# Altium PCB Apalis-Smart-Vision-Baseboard.PcbDoc (part 3 of 6)
Units mm, origin at the board's own origin, x right, y up, seen from the top; angles counter-clockwise.
Board outline 100 x 70 mm, 4 copper layers (Top Layer, Power Plane, Ground Plane, Bottom Layer), stack 1.52 mm thick; 202 components, 197 nets, 1190 pads, 441 vias.
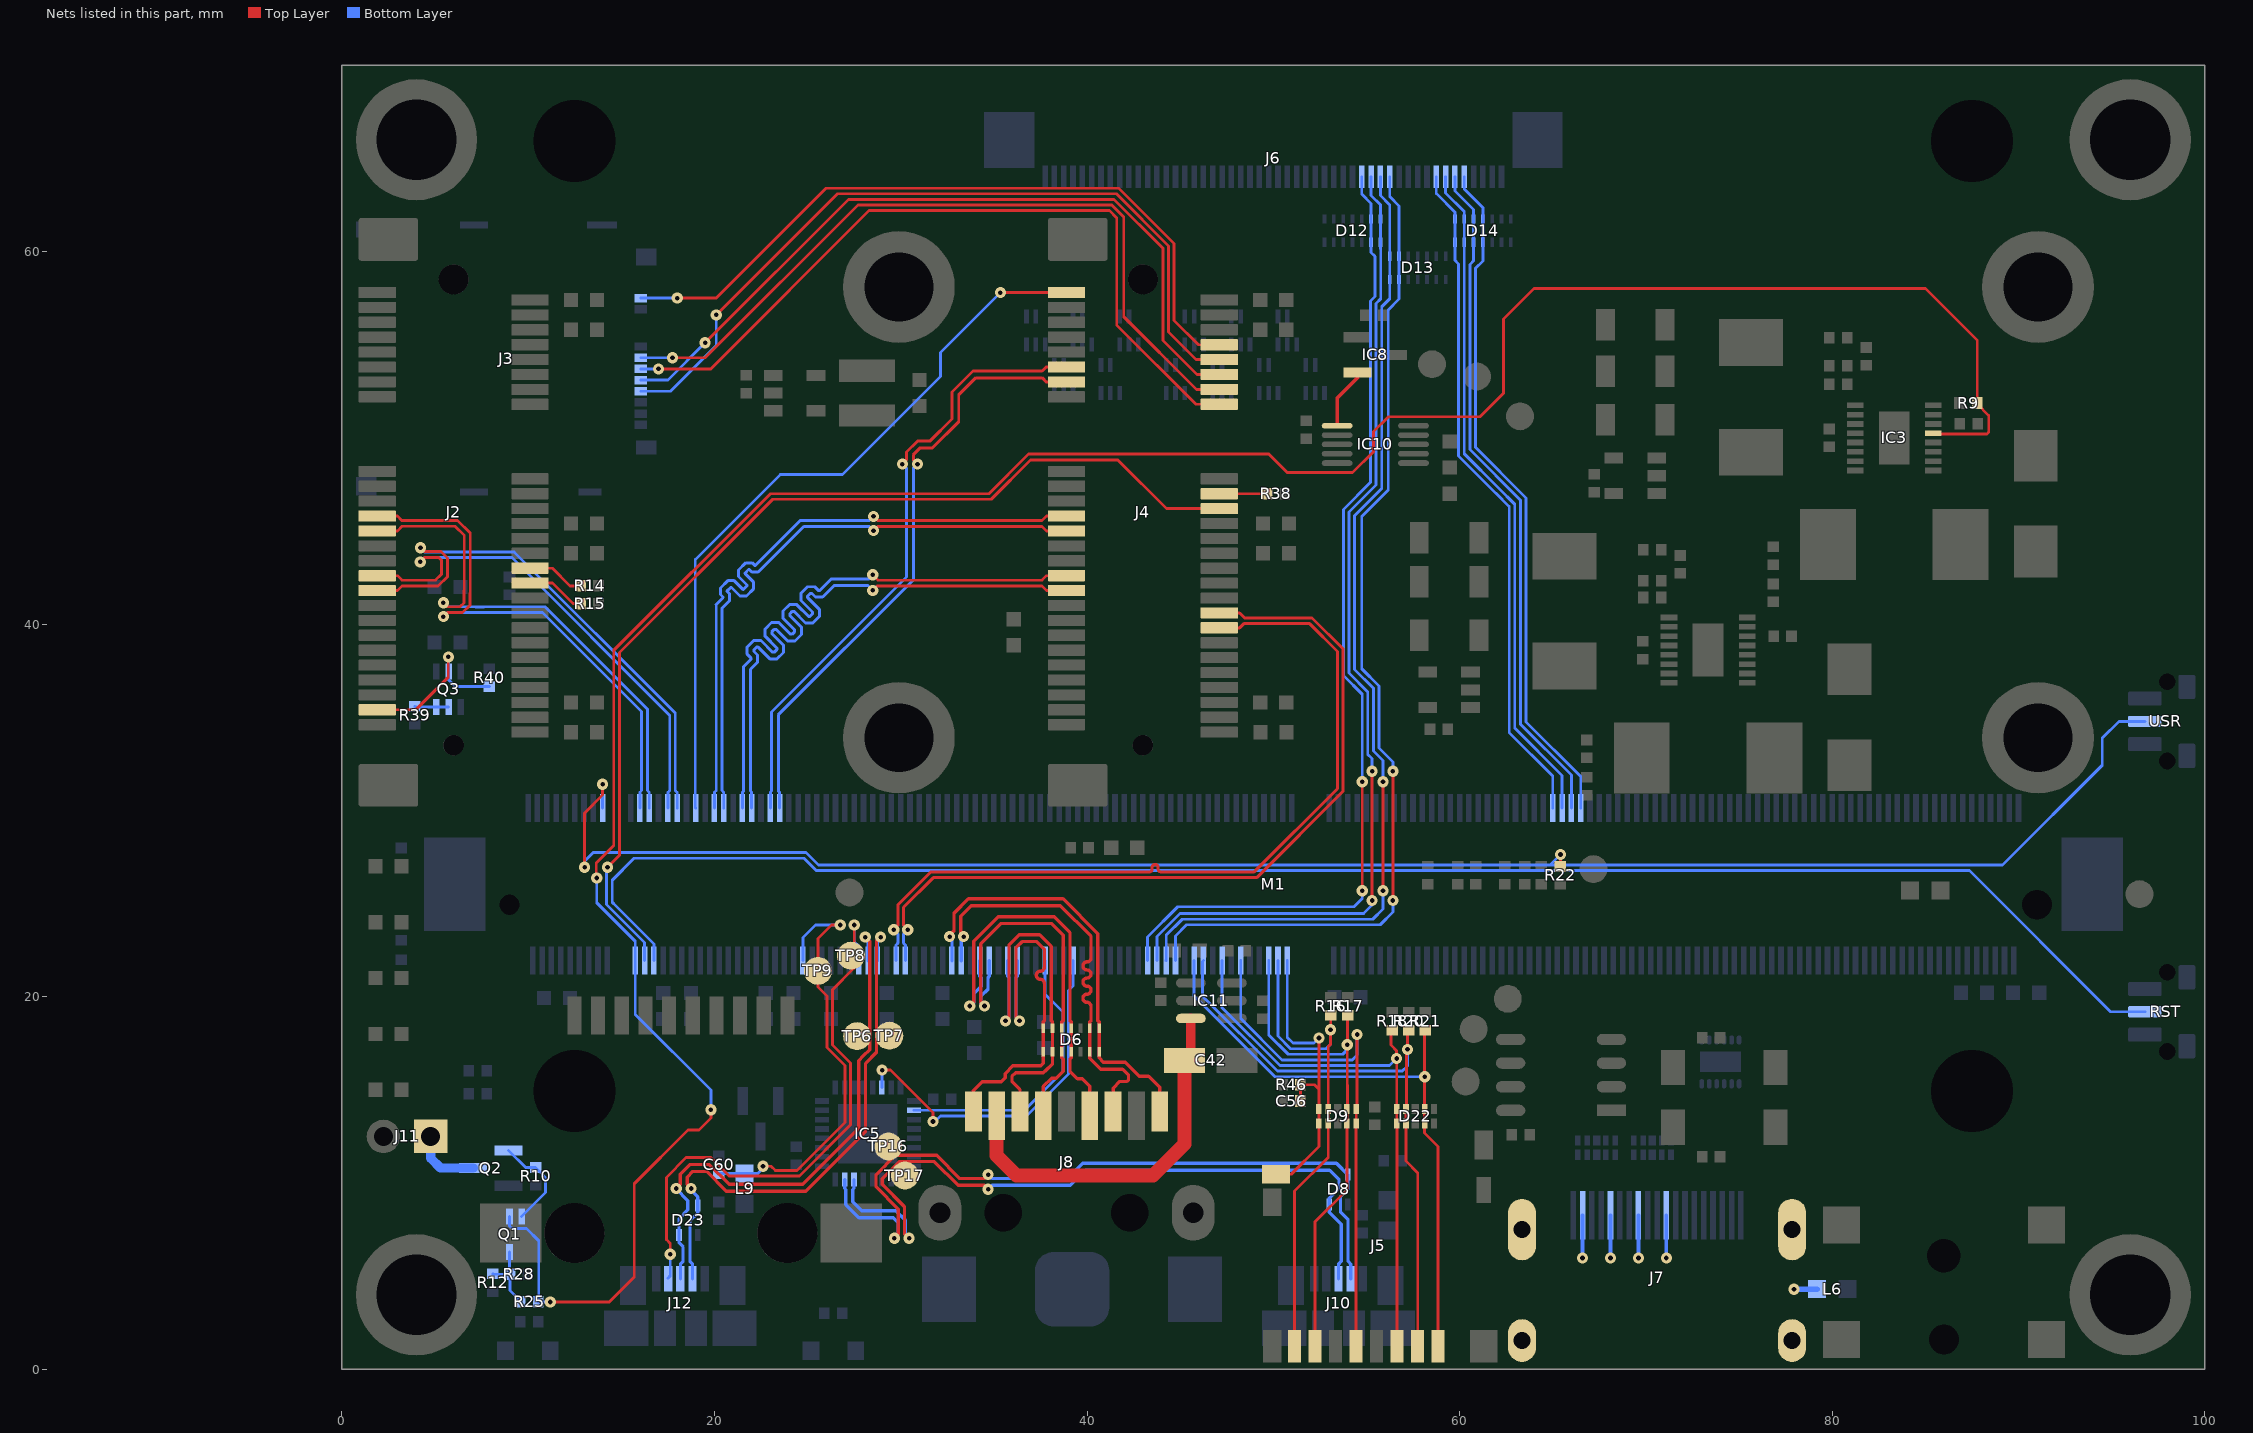
[diagram p5: the nets of this part, all layers, seen from the top]

## Via types
v1: diameter 0.6, hole 0.25, Top Layer to Bottom Layer, tented both sides, 440 vias
v2: diameter 0.6, hole 0.25, Top Layer to Bottom Layer, 1 vias

## Nets (pads, with @x,y where several pads share a name; then routed paths per layer and width w, separated by ;. In a path a pad name is that pad's centre, name@x,y a point inside that pad or via, vN(x,y) a via of type N, cw(c..) or ccw(c..) an arc to the next point about the centre after c; other vN are vias at no path point) (continued)
NetJ2_30: J2.30 R14.2 | length 3.1
  Top Layer w0.152: J2.30@10.1,43 11.299,43 12.249,42.05 R14.2@12.82,42.05
NetJ2_32: J2.32 R15.2 | length 3.2
  Top Layer w0.152: J2.32@10.1,42.2 11.3,42.2 12.4,41.1 R15.2@12.82,41.1
NetJ3_C1: J3.C1 J4.8 | length 39.4
  Top Layer w0.15: v1(18,57.5) 20.1,57.5 26,63.4 41.7,63.4 44.675,60.425 44.675,56.296 45.971,55 J4.8@47.1,55
  Bottom Layer w0.15: J3.C1@16.04,57.5 v1(18,57.5)
NetJ3_C2: J3.C2 J4.14 | length 41.7
  Top Layer w0.15: v1(17.745,54.3) 19.5,54.3 27.7,62.5 41.327,62.5 41.975,61.852 41.975,56.5 45.875,52.6 J4.14@47.1,52.6
  Bottom Layer w0.15: J3.C2@16.04,54.3 v1(17.745,54.3)
NetJ3_C3: J3.C3 J4.12 | length 41.9
  Top Layer w0.15: v1(19.5,55.1) 27.2,62.8 41.451,62.8 44.075,60.176 44.075,55.225 45.9,53.4 J4.12@47.1,53.4
  Bottom Layer w0.15: J3.C3@16.04,53.1 17.5,53.1 v1(19.5,55.1)
NetJ3_C6: J3.C6 J4.16 | length 42.3
  Top Layer w0.15: v1(17,53.7) 19.8,53.7 28.3,62.2 41.203,62.2 41.592,61.811 41.592,56.058 45.85,51.8 J4.16@47.1,51.8
  Bottom Layer w0.15: J3.C6@16.04,53.7 v1(17,53.7)
NetJ3_C7: J3.C7 J4.10 | length 42.8
  Top Layer w0.15: v1(20.1,56.6) 26.6,63.1 41.576,63.1 44.375,60.301 44.375,55.675 45.85,54.2 J4.10@47.1,54.2
  Bottom Layer w0.15: J3.C7@16.04,52.5 17.643,52.5 20.1,54.958 v1(20.1,56.6)
NetJ4_20: J4.20 R38.1 | length 2.6
  Top Layer w0.15: J4.20@47.1,47 R38.1@49.663,47
NetJ11_1: J11.1 Q2.3 | length 3.7
  Bottom Layer w0.5: J11.1@4.77,12.5 4.77,11.33 5.3,10.8 Q2.3@7.05,10.8
NetQ1_3: Q1.3 Q2.1 R10.1 | length 5.2
  Bottom Layer w0.152: Q2.1@8.95,11.75 9.87,10.83 R10.1@10.4,10.83 10.936,10.294 10.936,9.486 Q1.3@9.65,8.2
NetQ1_5: Q1.5 R12.2 R25.1 R28.1 | length 3.9
  Bottom Layer w0.15: R12.2@8.1,5.13 8.13,5.1 R28.1@9.025,5.1 ; Q1.5@9,6.3 9,5.125 R28.1@9.025,5.1 ; R25.1@9.58,3.62 9.58,3.679 9.025,4.234 R28.1@9.025,5.1
NetQ3_5: Q3.5 Q3.6 R39.1 | length 1.8
  Bottom Layer w0.15: R39.1@3.91,35.59 3.95,35.55 Q3.6@5.08,35.55 Q3.5@5.73,35.55
PCIE1_CLK_N: J4.11 M1.53 | length 33.6
  Top Layer w0.16: v1(30.09,48.59) 30.314,48.814 30.314,49.239 30.894,49.82 31.561,49.82 32.755,51.014 32.755,52.454 33.881,53.58 37.591,53.58 37.811,53.8 J4.11@38.9,53.8
  Bottom Layer w0.16: M1.53@23,30.136 23,30.97 23.07,31.04 23.07,35.279 30.314,42.523 30.314,48.366 v1(30.09,48.59)
PCIE1_CLK_P: J4.13 M1.55 | length 33
  Top Layer w0.16: v1(30.897,48.59) 30.674,48.814 30.674,49.09 31.044,49.46 31.71,49.46 33.115,50.865 33.115,52.305 34.03,53.22 37.591,53.22 37.811,53 J4.13@38.9,53
  Bottom Layer w0.16: M1.55@23.5,30.136 23.5,30.97 23.43,31.04 23.43,35.13 30.674,42.374 30.674,48.366 v1(30.897,48.59)
PCIE1_RX_N: J4.23 M1.41 | length 34
  Top Layer w0.15: v1(28.54,45.782) 28.765,45.557 37.578,45.557 37.821,45.8 J4.23@38.9,45.8
  Bottom Layer w0.15: M1.41@20,30.136 20,30.97 20.093,31.062 20.093,41.049 ; 28.315,45.557 v1(28.54,45.782)
  Bottom Layer w0.16: 20.093,41.049 20.462,41.418 20.462,41.461 20.327,41.595 20.327,41.937 20.721,42.331 21.063,42.331 21.524,41.87 21.567,41.87 21.75,42.053 21.75,42.096 21.289,42.557 21.289,42.899 21.683,43.293 22.024,43.293 22.159,43.158 22.202,43.158 24.601,45.557 28.315,45.557
PCIE1_RX_P: J4.25 M1.43 | length 33.5
  Top Layer w0.15: v1(28.54,45.017) 28.765,45.242 37.578,45.242 37.821,45 J4.25@38.9,45
  Bottom Layer w0.15: 20.408,40.855 20.408,31.062 20.5,30.97 M1.43@20.5,30.136 ; 28.315,45.242 v1(28.54,45.017)
  Bottom Layer w0.16: 20.408,40.855 20.822,41.269 20.822,41.61 20.687,41.745 20.687,41.788 20.87,41.971 20.914,41.971 21.375,41.51 21.716,41.51 22.11,41.904 22.11,42.245 21.649,42.706 21.649,42.749 21.832,42.933 21.875,42.933 22.01,42.798 22.351,42.798 24.796,45.242 28.315,45.242
PCIE1_TX_N: J4.31 M1.47 | length 34.2
  Top Layer w0.15: v1(28.5,42.645) 28.788,42.357 37.578,42.357 37.821,42.6 J4.31@38.9,42.6
  Bottom Layer w0.16: M1.47@21.5,30.136 21.5,30.97 21.57,31.04 21.57,37.719 21.952,38.101 21.952,38.193 21.76,38.385 21.76,38.775 22.106,39.12 22.495,39.12 23.12,38.495 23.212,38.495 23.347,38.63 23.347,38.722 22.722,39.347 22.722,39.736 23.067,40.082 23.457,40.082 24.082,39.457 24.173,39.457 24.308,39.592 24.308,39.683 23.683,40.308 23.683,40.698 24.029,41.044 24.419,41.044 25.044,40.419 25.135,40.419 25.27,40.554 25.27,40.645 24.645,41.27 24.645,41.66 24.991,42.005 25.38,42.005 25.573,41.813 25.664,41.813 26.281,42.43 28.285,42.43 v1(28.5,42.645)
PCIE1_TX_P: J4.33 M1.49 | length 33.6
  Top Layer w0.15: v1(28.5,41.81) 28.733,42.042 37.578,42.042 37.821,41.8 J4.33@38.9,41.8
  Bottom Layer w0.16: M1.49@22,30.136 22,30.97 21.93,31.04 21.93,37.57 22.312,37.952 22.312,38.342 22.12,38.534 22.12,38.625 22.255,38.76 22.346,38.76 22.971,38.135 23.361,38.135 23.707,38.481 23.707,38.871 23.082,39.496 23.082,39.587 23.217,39.722 23.308,39.722 23.933,39.097 24.322,39.097 24.668,39.443 24.668,39.832 24.043,40.457 24.043,40.549 24.178,40.684 24.269,40.684 24.895,40.059 25.284,40.059 25.63,40.404 25.63,40.794 25.005,41.419 25.005,41.51 25.14,41.645 25.231,41.645 25.423,41.453 25.813,41.453 26.43,42.07 28.24,42.07 v1(28.5,41.81)
PEN: IC3.13 M1.24 Q1.2 R9.2 R25.2 | length 144.4
  Top Layer w0.152: v1(11.185,3.61) 14.352,3.61 15.695,4.953 15.695,9.959 18.575,12.839 19.169,12.839 19.811,13.481 v1(19.811,13.931) ; v1@13.66,26.39 13.66,27.18 14.599,28.119 14.599,38.595 23.005,47.001 34.733,47.001 36.857,49.125 49.755,49.125 50.75,48.13 54.258,48.13 55.38,49.252 55.38,50.335 56.176,51.13 61.1,51.13 62.36,52.39 62.36,56.379 63.996,58.015 85.001,58.015 87.791,55.225 R9.2@87.791,51.868 87.791,51.809 88.4,51.2 88.4,50.3 88.309,50.209 85.464,50.209 IC3.13@85.427,50.245
  Bottom Layer w0.152: Q1.2@9,8.2 9,7.7 9.151,7.549 9.919,7.549 10.566,6.902 10.566,3.646 R25.2@10.54,3.62 11.175,3.62 v1(11.185,3.61) ; v1(13.68,26.37) 13.68,25.044 15.75,22.974 M1.24@15.75,21.936 15.75,19.05 19.811,14.989 v1(19.811,13.931)
RST_IN: M1.28 RST.2 | length 91.4
  Bottom Layer w0.152: M1.28@16.75,21.936 16.75,22.831 14.71,24.871 14.71,24.876 14.514,25.072 14.514,26.254 15.69,27.43 24.802,27.43 25.464,26.768 87.362,26.768 94.94,19.19 RST.2@96.79,19.19
RST_OUT: J4.22 M1.26 | length 55.2
  Top Layer w0.15: v1(14.26,26.95) 14.9,27.59 14.9,38.47 23.13,46.7 34.858,46.7 36.968,48.81 41.65,48.81 44.26,46.2 J4.22@47.1,46.2
  Bottom Layer w0.15: v1(14.26,26.95) 14.213,26.903 14.213,24.947 14.26,24.9 14.26,24.89 16.25,22.9 M1.26@16.25,21.936
SATA_ACTN: J2.49 Q3.2 R40.1 | length 9.2
  Top Layer w0.15: J2.49@1.9,35.4 3.966,35.4 5.715,37.149 5.715,38.235 v1(5.72,38.24)
  Bottom Layer w0.15: v1(5.72,38.24) 5.72,37.01 6.08,36.65 R40.1@7.92,36.65
SATA_RX_N: J2.25 M1.27 | length 28.6
  Top Layer w0.15: J2.25@1.9,45 2.981,45 3.231,45.25 6.08,45.25 6.575,44.755 6.575,41.813 6.56,41.798 6.56,41.142 6.35,40.932 5.667,40.932 v1(5.45,41.15)
  Bottom Layer w0.15: v1(5.45,41.15) 5.667,40.932 7.175,40.932 7.183,40.925 7.617,40.925 7.625,40.932 10.908,40.932 16.408,35.432 16.408,31.062 16.5,30.97 M1.27@16.5,30.136
SATA_RX_P: J2.23 M1.25 | length 29.1
  Top Layer w0.15: J2.23@1.9,45.8 2.981,45.8 3.216,45.565 6.21,45.565 6.89,44.885 6.89,41.682 6.875,41.667 6.875,41.012 6.48,40.617 5.667,40.617 v1(5.45,40.4)
  Bottom Layer w0.15: v1(5.45,40.4) 5.667,40.617 10.777,40.617 16.093,35.302 16.093,31.062 16,30.97 M1.25@16,30.136
SATA_TX_N: J2.31 M1.31 | length 27.4
  Top Layer w0.15: J2.31@1.9,42.6 2.981,42.6 3.223,42.357 5.032,42.357 5.35,42.675 5.35,43.425 5.2,43.575 4.445,43.575 v1(4.21,43.34)
  Bottom Layer w0.15: 4.45,43.575 9.126,43.575 17.6,35.101 17.6,31.07 17.5,30.97 M1.31@17.5,30.136
SATA_TX_P: J2.33 M1.33 | length 29.2
  Top Layer w0.15: J2.33@1.9,41.8 2.981,41.8 3.223,42.042 5.163,42.042 5.665,42.545 5.665,43.555 5.33,43.89 4.435,43.89 v1(4.225,44.1)
  Bottom Layer w0.15: v1(4.225,44.1) 4.45,43.875 9.25,43.875 17.9,35.225 17.9,31.07 18,30.97 M1.33@18,30.136
SD_CD: C56.2 D9.1 J5.9 M1.164 R46.1 | length 16.8
  Top Layer w0.15: C56.2@51.455,14.4 R46.1@51.455,15.273 52.202,15.273 52.45,15.025 ; D9.1@52.45,13.2 D9.1@52.45,13.97 52.45,15.025 ; v1(52.45,17.78) 52.45,15.025
  Top Layer w0.152: J5.9@50.145,10.465 50.965,10.465 52.45,11.95 D9.1@52.45,13.2
  Bottom Layer w0.15: M1.164@50.75,21.936 50.75,17.812 51.051,17.511 52.181,17.511 v1(52.45,17.78)
SD_CLK: D9.5 J5.5 M1.154 | length 28.3
  Top Layer w0.152: J5.5@54.445,1.226 54.445,13.195 D9.5@54.45,13.2 D9.5@54.45,13.97 54.496,14.016 54.496,17.966 v1(54.5,17.97)
  Bottom Layer w0.152: M1.154@48.25,21.936 48.25,18.833 50.476,16.607 54.237,16.607 54.496,16.866 54.496,17.966 v1(54.5,17.97)
SD_CMD: D22.1 J5.3 M1.150 R18.1 | length 30.5
  Top Layer w0.152: R18.1@56.38,18.2 56.32,18.14 56.32,17.4 56.62,17.1 v1(56.62,16.68) 56.625,16.675 D22.1@56.625,13.97 D22.1@56.625,13.2 56.645,13.18 J5.3@56.645,1.226
  Bottom Layer w0.152: M1.150@47.25,21.936 47.25,19.405 50.351,16.305 56.245,16.305 v1(56.62,16.68)
SD_D0: D9.4 J5.7 M1.160 R17.1 | length 27.5
  Top Layer w0.15: J5.7@52.245,1.226 52.245,7.92 53.95,9.625 D9.4@53.95,13.2 D9.4@53.95,13.97 53.976,13.996 53.976,15.25 53.97,15.256 v1(53.97,17.42) 53.975,17.425 53.975,18.995 R17.1@53.99,19.01
  Bottom Layer w0.15: M1.160@49.75,21.936 49.75,17.96 50.802,16.908 53.728,16.908 53.97,17.15 v1(53.97,17.42)
SD_D1: D9.2 J5.8 M1.162 R16.1 | length 26.6
  Top Layer w0.152: J5.8@51.145,1.226 51.145,9.57 52.95,11.375 D9.2@52.95,13.2 D9.2@52.95,13.97 52.95,17.33 53.07,17.45 v1(53.07,18.23) 53.08,18.24 R16.1@53.08,19.01
  Bottom Layer w0.152: M1.162@50.25,21.936 50.25,17.886 50.926,17.21 52.83,17.21 53.06,17.44 53.06,18.22 v1(53.07,18.23)
SD_D2: D22.4 J5.1 M1.144 R21.1 | length 33.3
  Top Layer w0.152: R21.1@58.15,18.2 58.125,18.175 v1(58.125,15.7) D22.4@58.125,13.97 D22.4@58.125,13.2 58.125,12.675 58.845,11.955 J5.1@58.845,1.226
  Bottom Layer w0.152: M1.144@45.75,21.936 45.75,20.05 50.1,15.7 v1(58.125,15.7)
SD_D3: D22.2 J5.2 M1.146 R20.1 | length 32.9
  Top Layer w0.152: R20.1@57.265,18.2 57.2,18.135 v1(57.2,17.17) 57.146,17.116 57.146,13.991 D22.2@57.125,13.97 D22.2@57.125,13.2 57.125,11.175 57.756,10.544 57.756,1.237 J5.2@57.745,1.226
  Bottom Layer w0.152: M1.146@46.25,21.936 46.2,21.886 46.2,20.028 50.225,16.002 56.924,16.002 57.2,16.279 v1(57.2,17.17)
SHIELD: J7.2 J7.5 J7.8 J7.11 J7.S L6.2 | length 10.2
  Bottom Layer w0.2: v1(66.6,5.975) J7.2@66.6,8.26 ; v1@68.1,6 J7.5@68.1,8.26 ; v1@69.6,6.05 J7.8@69.6,8.26 ; v1@71.1,6.07 J7.11@71.1,8.26
  Bottom Layer w0.3: v1(77.95,4.3) L6.2@79.185,4.3
  other v1: 68.1,5.975 69.6,5.975 71.1,5.975
SPI_CS: D14.11 J6.46 M1.227 | length 36.8
  Bottom Layer w0.15: J6.46@60.25,64.01 60.25,63.35 61.25,62.35 D14.11@61.25,61.75 D14.11@61.25,60.5
  Bottom Layer w0.152: D14.11@61.25,60.5 61.25,59.5 60.855,59.105 60.855,49.493 63.572,46.775 63.572,34.753 66.5,31.825 M1.227@66.5,30.136
SPI_MISO: D14.13 J6.44 M1.223 | length 36.5
  Bottom Layer w0.15: J6.44@59.25,64.01 59.25,63.15 60.25,62.15 D14.13@60.25,61.75 D14.13@60.25,60.5 ; 62.087,47.307 62.96,46.435 62.96,34.42 65.5,31.88 M1.223@65.5,30.136
  Bottom Layer w0.152: D14.13@60.25,60.5 60.25,49.145 62.087,47.307
SPI_MOSI: D14.12 J6.45 M1.225 | length 36.6
  Bottom Layer w0.15: J6.45@59.75,64.01 59.75,63.25 60.75,62.25 D14.12@60.75,61.75 D14.12@60.75,60.5
  Bottom Layer w0.152: D14.12@60.75,60.5 60.75,59.502 60.552,59.305 60.552,49.368 63.27,46.65 63.27,34.627 66,31.897 M1.225@66,30.136
SPI_SCK: D14.14 J6.43 M1.221 | length 36.5
  Bottom Layer w0.15: J6.43@58.75,64.01 58.75,63.109 59.75,62.109 D14.14@59.75,61.75 D14.14@59.75,60.5 59.75,59.532 59.949,59.334 59.949,49.02 61.963,47.006 61.964,47.006 62.66,46.311 62.66,34.18 65,31.84 M1.221@65,30.136
TEMP: IC8.2 IC10.6 | length 3.3
  Top Layer w0.2: IC10.6@53.425,50.646 53.425,52.125 54.521,53.221 IC8.2@54.521,53.5
UART1_RX: IC5.30 M1.118 | length 19.7
  Top Layer w0.15: v1(29,16.06) 29.45,16.06 31.73,13.78 v1(31.73,13.3)
  Bottom Layer w0.15: IC5.30@28.99,15.125 28.99,16.06 29.01,16.08 29.01,16.07 v1(29,16.06) ; v1(31.73,13.3) 31.83,13.3 32.13,13.6 36.756,13.6 39.01,15.854 39.01,20.34 39.25,20.58 M1.118@39.25,21.936
UART1_TX: IC5.2 M1.112 | length 15.2
  Bottom Layer w0.15: IC5.2@30.715,13.9 36.632,13.9 38.71,15.978 38.71,19.17 37.75,20.13 M1.112@37.75,21.936
UART3_RX: D12.8 J6.36 M1.136 | length 54.1
  Top Layer w0.15: v1(55.303,25.16) v1(55.303,32.1)
  Bottom Layer w0.15: M1.136@43.75,21.936 43.75,23.224 44.986,24.46 54.85,24.46 55.303,24.913 v1(55.303,25.16) ; J6.36@55.25,64.01 55.25,63.01 55.75,62.51 D12.8@55.75,61.75 D12.8@55.75,60.5 55.75,60.15 55.767,60.132 55.767,57.465 55.52,57.217 55.52,47.494 55.52,47.47 54.061,46.011 54.061,37.372 55.073,36.361 55.073,33.007 55.303,32.777 v1(55.303,32.1)
UART3_TX: D12.9 J6.35 M1.134 | length 53.8
  Top Layer w0.15: v1(54.773,25.69) v1(54.773,31.534)
  Bottom Layer w0.15: M1.134@43.25,21.936 43.25,23.21 44.869,24.829 54.339,24.829 54.773,25.263 v1(54.773,25.69) ; 53.76,37.249 54.773,36.237 v1(54.773,31.534) ; J6.35@54.75,64.01 54.75,63.082 55.25,62.582 D12.9@55.25,61.75 D12.9@55.25,60.5 55.25,59.944 55.449,59.746
  Bottom Layer w0.152: 53.76,37.249 53.76,46.16 55.219,47.619 55.219,57.342 55.466,57.589 55.466,59.728 55.449,59.746
UART4_RX: D13.13 J6.38 M1.140 | length 54.7
  Top Layer w0.15: v1(56.42,25.16) v1(56.42,32.1)
  Bottom Layer w0.15: M1.140@44.75,21.936 44.75,23.26 45.35,23.86 55.74,23.86 56.42,24.54 v1(56.42,25.16) ; J6.38@56.25,64.01 56.25,62.95 56.75,62.45 D13.13@56.75,59.75 D13.13@56.75,58.5 56.75,57.45 56.171,56.871 56.171,47.201 54.75,45.78 54.75,37.604 55.673,36.682 55.673,33.35 56.42,32.602 v1(56.42,32.1)
UART4_TX: D13.14 J6.37 M1.138 | length 54.5
  Top Layer w0.15: v1(55.89,25.69) v1(55.89,31.534)
  Bottom Layer w0.15: M1.138@44.228,21.958 M1.138@44.25,21.936 44.25,23.3 45.11,24.16 55.34,24.16 55.89,24.71 v1(55.89,25.69) ; J6.37@55.75,64.01 55.75,63 56.25,62.5 D13.14@56.25,59.75 D13.14@56.25,58.5 56.25,57.467 55.82,57.037 55.82,47.274 54.361,45.815 54.361,37.569 55.373,36.557 55.373,33.187 55.89,32.67 v1(55.89,31.534)
USB3_H4_D_N: D6.12 J8.2 M1.100 | length 21.6
  Top Layer w0.18: v1(34.5,19.5) 34.29,19.71 34.29,22.83 35.39,23.93 38.081,23.93 38.715,23.296 38.715,18.715 38.65,18.65 D6.12@38.65,18.303 D6.12@38.65,17.053 38.65,16.71 38.715,16.645 38.715,16 38.345,15.63 38.1,15.63 37.65,15.18 J8.2@37.65,13.62
  Bottom Layer w0.18: v1(34.5,19.5) 34.46,19.5 34.29,19.67 34.29,20.012 34.685,20.407 34.685,21.025 34.75,21.09 M1.100@34.75,21.936
USB3_H4_D_P: D6.11 J8.3 M1.98 | length 22.8
  Top Layer w0.18: v1(33.71,19.5) 33.92,19.71 33.92,22.983 34.315,23.378 34.488,23.552 35.237,24.3 38.234,24.3 39.085,23.449 39.085,18.715 39.15,18.65 D6.11@39.15,18.303 D6.11@39.15,17.053 39.15,16.71 39.085,16.645 39.085,16 39.486,15.599 39.751,15.599 40.15,15.2 J8.3@40.15,13.62
  Bottom Layer w0.18: v1(33.71,19.5) 33.75,19.5 33.92,19.67 33.92,20.165 34.315,20.56 34.315,21.025 34.25,21.09 M1.98@34.25,21.936
USB3_H4_RX_N: D6.8 J8.5 M1.92 | length 23.4
  Top Layer w0.18: v1@32.625,23.295 32.86,23.53 32.86,24.483 33.637,25.26 38.713,25.26 40.585,23.388 40.585,18.715 40.65,18.65 D6.8@40.65,18.303 D6.8@40.65,17.053 40.65,16.71 40.88,16.48 42.05,16.48 42.802,15.728 43.302,15.728 43.9,15.13 J8.5@43.9,13.845
  Bottom Layer w0.152: v1(32.625,23.225) v1@32.699,23.225
  Bottom Layer w0.18: v1@32.699,23.225 32.75,23.174 M1.92@32.75,21.936
USB3_H4_RX_P: D6.9 J8.6 M1.94 | length 23.4
  Top Layer w0.18: v1@33.23,23.21 33.23,24.33 33.79,24.89 38.56,24.89 40.215,23.235 40.215,22.52 40.215,22.303 40.215,22.086 cw(c39.998,22.086) 39.998,21.869 ccw(c39.998,21.652) 39.781,21.652 ccw(c39.998,21.652) 39.998,21.435 cw(c39.998,21.218) 40.215,21.218 cw(c39.998,21.218) 39.998,21.001 ccw(c39.998,20.784) 39.781,20.784 ccw(c39.998,20.784) 39.998,20.567 cw(c39.998,20.35) 40.215,20.35 cw(c39.998,20.35) 39.998,20.133 ccw(c39.998,19.916) 39.781,19.916 ccw(c39.998,19.916) 39.998,19.699 cw(c39.998,19.482) 40.215,19.482 40.215,18.94 40.215,18.715 40.15,18.65 D6.9@40.15,18.303 D6.9@40.15,17.053 40.15,16.687 40.727,16.11 41.907,16.11 42.23,15.787 42.23,15.53 42.15,15.45 41.76,15.45 41.4,15.09 J8.6@41.4,13.845
  Bottom Layer w0.152: v1@33.301,23.225 v1(33.375,23.225)
  Bottom Layer w0.18: M1.94@33.25,21.936 33.25,23.174 v1@33.301,23.225
USB3_H4_TX_N: D6.13 J8.8 M1.104 | length 21.1
  Top Layer w0.18: v1(35.625,18.7) 35.815,18.89 35.815,22.788 36.357,23.33 37.453,23.33 38.085,22.698 38.085,18.715 38.15,18.65 D6.13@38.15,18.303 D6.13@38.15,17.053 38.15,16.407 37.772,16.028 37.663,15.92 36.173,15.92 35.972,15.718 35.972,15.448 36.4,15.02 J8.8@36.4,13.845
  Bottom Layer w0.18: v1(35.625,18.7) 35.815,18.89 35.815,21.025 35.75,21.09 M1.104@35.75,21.936
USB3_H4_TX_P: D6.14 J8.9 M1.106 | length 21.6
  Top Layer w0.18: J8.9@33.9,13.845 33.9,14.95 34.38,15.43 35.39,15.43 35.602,15.642 35.602,15.872 36.02,16.29 37.51,16.29 37.65,16.43 D6.14@37.65,17.053 D6.14@37.65,18.303 37.65,18.65 37.715,18.715 37.715,20.718 ccw(c37.498,20.718) 37.498,20.935 cw(c37.498,21.152) 37.281,21.152 cw(c37.498,21.152) 37.498,21.369 ccw(c37.498,21.586) 37.715,21.586 ; v1(36.375,18.7) 36.185,18.89 36.185,22.635 36.51,22.96 37.3,22.96 37.715,22.545 37.715,21.586 ; 37.715,21.803 37.715,21.586
  Bottom Layer w0.18: M1.106@36.25,21.936 36.25,21.09 36.185,21.025 36.185,18.89 v1(36.375,18.7)
USB_D_N: D8.3 IC5.15 J10.2 TP16.1 | length 42.5
  Top Layer w0.18: v1(29.66,7.03) 29.871,7.241 29.871,8.601 28.677,9.795 28.677,10.449 29.708,11.481 31.931,11.481 33.172,10.24 34.48,10.24 v1(34.69,10.45)
  Bottom Layer w0.18: IC5.15@26.99,10.175 26.99,9.71 27.055,9.645 27.055,8.842 27.648,8.248 27.757,8.14 29.59,8.14 29.87,7.86 29.87,7.24 v1(29.66,7.03) ; v1(34.69,10.45) 34.9,10.24 38.957,10.24 39.777,11.06 53.393,11.06 D8.3@54,10.453 54,9.667 53.61,9.277 53.61,8.428 54.01,8.028 54.01,5.79 54.15,5.65 J10.2@54.15,4.863
USB_D_P: D8.5 IC5.14 J10.3 TP17.1 | length 41.8
  Top Layer w0.18: TP17.1@29.882,10.744 TP17.1@30.226,10.4 ; v1(30.45,7.03) 30.201,7.279 30.201,8.738 29.007,9.931 29.007,10.233 29.924,11.151 31.795,11.151 33.075,9.87 34.48,9.87 v1(34.69,9.66)
  Bottom Layer w0.18: IC5.14@27.49,10.175 27.49,9.71 27.425,9.645 27.425,8.995 27.91,8.51 29.743,8.51 30.24,8.013 30.24,7.24 v1(30.45,7.03) ; v1(34.69,9.66) 34.9,9.87 39.11,9.87 39.93,10.69 53.02,10.69 53.53,10.18 53.53,9.72 53,9.19 D8.5@53,8.853 53,8.43 53.64,7.79 53.64,5.79 53.5,5.65 J10.3@53.5,4.863
USB_OTG_D_N: D23.3 J12.2 M1.76 TP7.1 | length 29.5
  Top Layer w0.15: v1@28.902,23.214 28.902,23.2 v1(28.92,23.2)
  Top Layer w0.18: v1(18.75,9.7) 18.534,9.917 18.534,10.32 18.834,10.62 19.58,10.62 20.64,9.56 24.893,9.56 28.11,12.777 28.11,16.416 28.7,17.006 28.7,22.998 v1@28.902,23.2
  Bottom Layer w0.15: v1@18.75,9.6 v1(18.75,9.7)
  Bottom Layer w0.18: v1@18.75,9.6 19.1,9.25 D23.3@19.1,8.8 19.1,8.38 18.685,7.965 18.685,5.79 18.825,5.65 J12.2@18.825,4.863 ; M1.76@28.75,21.936 28.75,23.049 28.902,23.2 v1(28.92,23.2)
USB_OTG_D_P: D23.5 J12.3 M1.74 TP6.1 | length 29.7
  Top Layer w0.18: v1(17.947,9.7) 18.164,9.917 18.164,10.473 18.68,10.99 19.733,10.99 20.793,9.93 24.74,9.93 27.74,12.93 27.74,16.569 28,16.829 28.33,17.159 28.33,22.969 v1(28.099,23.2)
  Bottom Layer w0.18: v1(17.947,9.7) 17.947,9.683 18.575,9.055 18.575,8.555 18.1,8.08 D23.5@18.1,7.2 18.1,6.78 18.315,6.565 18.315,5.79 18.175,5.65 J12.3@18.175,4.863 ; v1(28.099,23.2) 28.25,23.049 M1.74@28.25,21.936
USB_OTG_ID: J12.4 M1.72 TP8.1 | length 31.1
  Top Layer w0.15: v1(17.63,6.178) 17.63,6.75 17.422,6.958 17.422,10.302 18.482,11.362 19.811,11.362 20.798,10.375 24.56,10.375 27.31,13.125 27.31,16.438 26.34,17.408 26.34,20.371 27.502,21.533 v1(27.502,23.851)
  Bottom Layer w0.15: J12.4@17.5,4.888 17.63,5.018 v1(17.63,6.178) ; v1(27.502,23.851) 27.502,22.969 27.75,22.721 M1.72@27.75,21.936
USB_OTG_VBUS: C60.2 L9.1 M1.60 TP9.1 | length 23.6
  Top Layer w0.15: v1(22.61,10.9) 23.045,10.9 23.27,10.675 24.436,10.675 27.01,13.249 27.01,16.306 26.04,17.277 26.04,20.036 25.552,20.523 TP9.1@25.552,21.387 25.552,23.114 26.289,23.851 v1(26.75,23.851)
  Bottom Layer w0.15: C60.2@20.24,10.49 20.255,10.505 L9.1@21.62,10.505 22.325,10.505 22.61,10.79 v1(22.61,10.9) ; M1.60@24.75,21.936 24.75,23.168 25.432,23.851 v1(26.75,23.851)
USB_PWR: C42.1 IC11.6 J8.1 | length 20.3
  Top Layer w0.5: C42.1@45.24,16.575 45.575,16.91 IC11.6@45.575,18.835
  Top Layer w0.75: J8.1@35.15,13.62 35.15,11.475 36.225,10.4 43.55,10.4 45.24,12.09 C42.1@45.24,16.575
USBH2_D_N: J4.36 M1.82 | length 44.3
  Top Layer w0.16: v1(30.375,23.597) 30.155,23.817 30.155,24.796 31.75,26.391 49.105,26.391 53.752,31.037 53.752,38.66 52.081,40.331 48.466,40.331 48.197,40.6 J4.36@47.1,40.6
  Bottom Layer w0.16: M1.82@30.25,21.936 30.25,22.78 30.155,22.875 30.155,23.377 v1(30.375,23.597)
USBH2_D_P: J4.38 M1.80 | length 44.3
  Top Layer w0.16: v1(29.625,23.597) 29.845,23.817 29.845,24.924 31.622,26.701 39.218,26.701 43.354,26.701 ccw(c43.354,26.845) 43.498,26.845 43.498,26.947 cw(c43.642,26.947) 43.642,27.091 43.674,27.091 cw(c43.674,26.947) 43.818,26.947 43.818,26.845 ccw(c43.962,26.845) 43.962,26.701 44.138,26.701 44.298,26.701 48.976,26.701 53.442,31.166 53.442,38.532 51.952,40.021 48.418,40.021 48.197,39.8 J4.38@47.1,39.8
  Bottom Layer w0.16: v1(29.625,23.597) 29.845,23.377 29.845,22.875 29.75,22.78 M1.80@29.75,21.936
USR_BTN: M1.17 R22.1 USR.2 | length 96.2
  Top Layer w0.152: v1(13.03,26.95) 13.03,29.85 14,30.82 v1(14,31.4) ; R22.1@65.41,26.99 65.41,27.62 v1(65.42,27.63)
  Bottom Layer w0.152: v1(13.03,26.95) 13.03,27.27 13.499,27.739 24.92,27.739 25.589,27.07 64.86,27.07 ; M1.17@14,30.136 v1(14,31.4) ; v1(65.42,27.63) 64.86,27.07 ; USR.2@96.79,34.78 95.4,34.78 94.5,33.88 94.5,32.421 89.149,27.07 64.86,27.07
WAKE: J4.1 M1.37 | length 40
  Top Layer w0.15: v1(35.35,57.792) 35.358,57.8 J4.1@38.9,57.8
  Bottom Layer w0.15: M1.37@19,30.136 18.975,30.161 18.975,43.468 23.537,48.03 26.87,48.03 32.134,53.294 32.134,54.576 v1(35.35,57.792)
pads on no net: D14.8 D14.9 D22.5 IC2.8 IC2.9 IC2.15 IC3.8 IC3.9 IC3.15 IC5.3 IC5.5 IC5.6 IC5.7 IC5.8 IC5.9 IC5.10 IC5.11 IC5.12 IC5.13 IC5.18 IC5.23 IC5.25 IC5.27 IC5.28 IC5.29 IC5.31 IC5.32 IC5.33 IC9.7 IC10.2 IC10.7 J1. J2.1 J2.3 J2.5 J2.7 J2.8 J2.10 J2.11 J2.12 J2.13 J2.14 J2.16 J2.17 J2.19 J2.20 J2.22 J2.36 J2.38 J2.42 J2.44 J2.45 J2.46 J2.47 J2.51 J2.M J3.C4 J3.C8 J4.3 J4.5 J4.7 J4.17 J4.19 J4.30 J4.32 J4.42 J4.45 J4.46 J4.47 J4.49 J4.51 J4.M J5.M J6.M J7.14 J8. J9. J9.9 J9.SHIELD J10.M J12.M M1. M1.2 M1.4 M1.6 M1.8 M1.12 M1.14 M1.16 M1.18 M1.35 M1.46 M1.59 M1.61 M1.62 M1.63 M1.64 M1.65 M1.67 M1.68 M1.70 M1.71 M1.73 M1.77 M1.79 M1.83 M1.84 M1.85 M1.86 M1.87 M1.88 M1.89 M1.91 M1.96 M1.99 M1.110 M1.114 M1.116 M1.120 M1.122 M1.123 M1.124 M1.126 M1.128 M1.130 M1.132 M1.135 M1.148 M1.152 M1.156 M1.158 M1.159 M1.173 M1.175 M1.176 M1.177 M1.178 M1.179 M1.180 M1.181 M1.183 M1.184 M1.185 M1.186 M1.187 M1.188 M1.190 M1.191 M1.193 M1.194 M1.195 M1.196 M1.197 M1.198 M1.200 M1.202 M1.204 M1.208 M1.210 M1.212 M1.214 M1.215 M1.216 M1.217 M1.229 M1.231 M1.233 M1.235 M1.239 M1.243 M1.245 M1.246 M1.247 M1.248 M1.249 M1.251 M1.252 M1.253 M1.254 M1.255 M1.257 M1.258 M1.259 M1.260 M1.261 M1.262 M1.263 M1.264 M1.265 M1.266 M1.269 M1.270 M1.271 M1.272 M1.273 M1.274 M1.275 M1.276 M1.277 M1.278 M1.279 M1.281 M1.282 M1.283 M1.284 M1.286 M1.287 M1.288 M1.289 M1.290 M1.291 M1.293 M1.294 M1.295 M1.296 M1.297 M1.299 M1.300 M1.301 M1.302 M1.305 M1.306 M1.307 M1.309 M1.310 M1.311 M1.312 M1.315 M1.316 M1.317 M1.318 M1.319 M1.321 M1.BE1 M1.BE2 RST.10 RST.11 RST.SH1 RST.SH2 SP1.1 SP2.1 SP3.1 SP4.1 SP5.1 SP6.1 SP7.1 SP8.1 USR.10 USR.11 USR.SH1 USR.SH2 Y1.M
copper on no net: | length 2004.6